# Allegro board SDHCalFEB.brd (continued)
## Routing (per net, layer and track width the routed paths; a pad name or vN(x,y) marks a point on that pad's centre or on a via; arc(x,y) is an arc through that point) (continued)
; U1062.3 v1(355.32,247.93) ; 98.83,162.51 v2(99.26,162.51) ; v2(99.26,162.51) 99.7,162.51 ; v2(99.26,162.51) 99.26,162.08 ; v2(99.26,162.51) 99.26,162.94 ; v2(192.91,259.61) 193.34,259.61 ; v2(192.91,259.61) 192.48,259.61 ; v2(192.91,259.61) 192.91,259.18 ; v2(98.27,87.83) 98.7,87.83 ; v2(98.27,87.83) 98.27,88.27 ; v2(98.27,87.83) 97.84,87.83 ; v2(98.27,87.83) 98.27,87.4 ; v2(258.8,167.26) 258.8,167.69 ; v2(258.8,167.26) 259.23,167.26 ; v2(258.8,167.26) 258.37,167.26 ; v2(258.8,167.26) 258.8,166.83 ; 169.58,194.2 J14.4 ; J14.4 170.71,195.33 ; J14.4 171.84,194.2 ; J14.4 170.71,193.06 ; 155.4,196.99 C608.2 ; C608.2 154.08,198.19 ; C608.2 156.72,198.19 ; v1(265.15,26.85) 265.15,27.28 ; v1(265.15,26.85) 265.15,26.42 ; v1(265.15,26.85) 265.58,26.85 ; v1(265.15,26.85) 264.72,26.85 ; 174.68,117.02 v2(174.68,117.45) ; v2(174.68,117.45) 175.11,117.45 ; v2(174.68,117.45) 174.24,117.45 ; v2(174.68,117.45) 174.68,117.88 ; v1(373.63,110.92) 374.07,110.92 ; v1(373.63,110.92) 373.63,110.49 ; v1(373.63,110.92) 373.2,110.92 ; v1(373.63,110.92) 373.63,111.35 ; v2(89.43,192.28) 89.87,192.28 ; v2(89.43,192.28) 89.43,192.71 ; v2(89.43,192.28) 89.43,191.85 ; v2(89.43,192.28) 89,192.28 ; 182.32,351.48 v1(182.32,351.92) ; v1(182.32,351.92) 182.75,351.92 ; v1(182.32,351.92) 181.89,351.92 ; v1(182.32,351.92) 182.32,352.35 ; 239.55,117.47 v2(239.55,117.91) ; v2(239.55,117.91) 239.99,117.91 ; v2(239.55,117.91) 239.12,117.91 ; 187.88,341.32 v2(187.88,341.76) ; v2(187.88,341.76) 187.45,341.76 ; v2(187.88,341.76) 187.88,342.19 ; v2(187.88,341.76) 188.32,341.76 ; v1(354.33,130.92) U1053.24 v1(351.97,130.92) ; 179.62,178.74 J50.2 ; J50.2 179.62,181 ; J50.2 178.49,179.87 ; J50.2 180.75,179.87 ; 158.67,278.42 v2(159.1,278.42) 159.1,277.99 ; 32.69,261.34 v2(32.69,261.77) ; v2(32.69,261.77) 33.12,261.77 ; v2(32.69,261.77) 32.69,262.2 ; v2(32.69,261.77) 32.26,261.77 ; v2(178.51,261.85) 178.94,261.85 ; v2(178.51,261.85) 178.51,262.28 ; v2(178.51,261.85) 178.08,261.85 ; v2(178.51,261.85) 178.51,261.42 ; v2(91.49,275.31) 91.49,275.74 ; v2(91.49,275.31) 91.92,275.31 ; v2(91.49,275.31) 91.49,274.88 ; v2(91.49,275.31) 91.06,275.31 ; 340.23,243.64 J9.3 ; J9.3 341.36,244.77 ; J9.3 340.23,245.9 ; J9.3 339.1,244.77 ; v2(175.69,250.04) 175.69,250.47 ; v2(175.69,250.04) 176.12,250.04 ; v2(175.69,250.04) 175.69,249.61 ; v2(175.69,250.04) 175.26,250.04 ; 99.62,176.91 v2(100.05,176.91) ; v2(100.05,176.91) 100.05,176.48 ; v2(100.05,176.91) 100.48,176.91 ; v2(100.05,176.91) 100.05,177.34 ; v2(92.96,272.95) 93.4,272.95 ; v2(92.96,272.95) 92.96,272.52 ; v2(92.96,272.95) 92.53,272.95 ; v2(92.96,272.95) 92.96,273.38 ; v1(18.75,23.57) 18.75,24 ; v1(18.75,23.57) 18.75,23.14 ; v1(18.75,23.57) 19.18,23.57 ; v1(18.75,23.57) 18.31,23.57 ; v2(249.2,199.95) 249.63,199.95 ; v2(249.2,199.95) 249.2,199.52 ; v2(249.2,199.95) 249.2,200.38 ; v2(249.2,199.95) 248.77,199.95 ; J33.B3 v1(391.79,101.22) ; 92.89,31.67 v2(93.32,31.67) ; v2(93.32,31.67) 93.32,32.11 ; v2(93.32,31.67) 93.75,31.67 ; v2(93.32,31.67) 93.32,31.24 ; 174.75,83.34 J29.4 ; J29.4 173.62,84.47 ; J29.4 175.88,84.47 ; J29.4 174.75,85.6 ; v2(27.64,96.27) 28.07,96.27 ; v2(27.64,96.27) 27.2,96.27 ; v2(27.64,96.27) 27.64,95.83 ; v2(27.64,96.27) 27.64,96.7 ; 148.51,345.54 v2(148.95,345.54) ; v2(148.95,345.54) 149.38,345.54 ; v2(148.95,345.54) 148.95,345.11 ; v2(148.95,345.54) 148.95,345.97 ; 172.85,354 v1(172.85,354.43) ; v1(172.85,354.43) 172.41,354.43 ; v1(172.85,354.43) 173.28,354.43 ; v1(172.85,354.43) 172.85,354.86 ; 33.83,331.29 v2(34.26,331.29) ; v2(34.26,331.29) 34.26,330.86 ; v2(34.26,331.29) 34.7,331.29 ; v2(34.26,331.29) 34.26,331.72 ; v2(367.03,110.67) 367.46,110.67 ; v2(367.03,110.67) 367.03,111.1 ; v2(367.03,110.67) 367.03,110.24 ; v2(367.03,110.67) 366.6,110.67 ; v2(268.38,323.57) 268.38,324 ; v2(268.38,323.57) 267.94,323.57 ; v2(268.38,323.57) 268.81,323.57 ; v2(268.38,323.57) 268.38,323.14 ; U1078.11 v1(345.43,332.84) ; v2(251.76,330.76) 252.2,330.76 ; v2(251.76,330.76) 251.76,330.33 ; v2(251.76,330.76) 251.33,330.76 ; v2(251.76,330.76) 251.76,331.19 ; v1(359.61,204.11) 359.61,204.55 ; v1(359.61,204.11) 359.61,203.68 ; v1(359.61,204.11) 360.05,204.11 ; v1(359.61,204.11) 359.18,204.11 ; 101.24,340.33 v2(101.68,340.33) ; v2(101.68,340.33) 101.68,339.9 ; v2(101.68,340.33) 102.11,340.33 ; v2(101.68,340.33) 101.68,340.77 ; 40.18,169.39 v2(40.18,169.82) ; v2(40.18,169.82) 40.62,169.82 ; v2(40.18,169.82) 40.18,170.26 ; v2(40.18,169.82) 39.75,169.82 ; v2(265.81,95.76) 265.81,96.19 ; v2(265.81,95.76) 266.24,95.76 ; v2(265.81,95.76) 265.38,95.76 ; v2(265.81,95.76) 265.81,95.33 ; 104.18,254.18 J62.4 ; J62.4 105.31,255.31 ; J62.4 104.18,256.44 ; J62.4 103.05,255.31 ; v2(249.4,194.64) 249.83,194.64 ; v2(249.4,194.64) 249.4,194.21 ; v2(249.4,194.64) 248.97,194.64 ; v2(249.4,194.64) 249.4,195.07 ; 28.75,91.87 v2(29.18,91.87) ; v2(29.18,91.87) 29.62,91.87 ; v2(29.18,91.87) 29.18,92.3 ; v2(29.18,91.87) 29.18,91.44 ; v2(338.28,245.36) 338.28,245.8 ; v2(338.28,245.36) 337.84,245.36 ; v2(338.28,245.36) 338.71,245.36 ; v2(338.28,245.36) 338.28,244.93 ; 366.14,237.44 v1(366.14,237.87) ; v1(366.14,237.87) 365.71,237.87 ; v1(366.14,237.87) 366.57,237.87 ; v1(366.14,237.87) 366.14,238.3 ; 231.14,347.09 v1(231.14,347.52) ; v1(231.14,347.52) 230.71,347.52 ; v1(231.14,347.52) 231.14,347.96 ; v1(231.14,347.52) 231.57,347.52 ; 100.69,183.29 R1901.1 100.69,182.12 ; J47.5 95.72,261.14 ; J47.5 94.59,260.01 ; J47.5 95.72,258.88 ; J47.5 96.85,260.01 ; 354.96,345.9 v1(354.96,346.33) ; v1(354.96,346.33) 355.4,346.33 ; v1(354.96,346.33) 354.96,346.76 ; v1(354.96,346.33) 354.53,346.33 ; 94,248.49 J15.5 ; J15.5 94,250.75 ; J15.5 92.87,249.62 ; J15.5 95.13,249.62 ; v2(172.14,249.17) 172.57,249.17 ; v2(172.14,249.17) 172.14,249.61 ; v2(172.14,249.17) 172.14,248.74 ; v2(172.14,249.17) 171.7,249.17 ; J34.A34 v1(394.88,204.35) ; 308.69,342.09 v2(309.12,342.09) ; v2(309.12,342.09) 309.12,341.65 ; v2(309.12,342.09) 309.12,342.52 ; v2(309.12,342.09) 309.55,342.09 ; 184.63,334.46 v2(184.63,334.02) 185.06,334.02 ; v2(37.39,259.97) 37.82,259.97 ; v2(37.39,259.97) 36.96,259.97 ; v2(37.39,259.97) 37.39,260.4 ; v2(37.39,259.97) 37.39,259.54 ; v1(180.59,22.48) 180.59,22.91 ; v1(180.59,22.48) 180.16,22.48 ; v1(180.59,22.48) 180.59,22.05 ; v1(180.59,22.48) 181.03,22.48 ; v2(95.66,280.59) 95.66,281.03 ; v2(95.66,280.59) 95.22,280.59 ; v2(95.66,280.59) 96.09,280.59 ; v2(95.66,280.59) 95.66,280.16 ; v2(92.94,288.42) 93.37,288.42 ; v2(92.94,288.42) 92.94,288.85 ; v2(92.94,288.42) 92.51,288.42 ; v2(92.94,288.42) 92.94,287.98 ; v2(248.57,277.52) 249,277.52 ; v2(330.99,278.43) 330.99,278.87 ; v2(330.99,278.43) 331.42,278.43 ; v2(330.99,278.43) 330.99,278 ; v2(330.99,278.43) 330.56,278.43 ; J52.2 268.61,26.99 ; J52.2 267.47,25.86 ; J52.2 266.34,26.99 ; v2(174.22,183.67) 174.65,183.67 ; v2(174.22,183.67) 173.79,183.67 ; v2(174.22,183.67) 174.22,184.1 ; v2(174.22,183.67) 174.22,183.24 ; 319.35,278.01 v2(319.35,278.44) ; v2(319.35,278.44) 318.92,278.44 ; v2(319.35,278.44) 319.78,278.44 ; v2(160.76,41.35) 160.76,41.78 ; v2(160.76,41.35) 160.32,41.35 ; v2(160.76,41.35) 160.76,40.92 ; v2(160.76,41.35) 161.19,41.35 ; C1486.2 362.97,109.04 ; C1486.2 364.29,107.85 ; C1486.2 361.64,107.85 ; U1051.7 v1(348.34,191.84) ; 30.68,39.36 C1390.2 ; C1390.2 32,38.17 ; C1390.2 33.33,39.36 ; 187.68,175.2 J64.3 ; J64.3 188.81,176.33 ; J64.3 189.94,175.2 ; J64.3 188.81,174.07 ; v1(184.07,25.1) 184.07,25.53 ; v1(184.07,25.1) 183.64,25.1 ; v1(184.07,25.1) 184.07,24.66 ; v1(184.07,25.1) 184.51,25.1 ; C1427.2 363.07,166.95 ; C1427.2 361.87,168.28 ; C1427.2 361.87,165.63 ; v2(94.05,262.2) 94.05,262.63 ; v2(94.05,262.2) 94.05,261.77 ; v2(94.05,262.2) 94.48,262.2 ; J32.3 95.32,34.65 ; J32.3 96.45,33.52 ; J32.3 95.32,32.38 ; J32.3 94.19,33.52 ; v2(29.21,268.91) 29.21,269.34 ; v2(29.21,268.91) 29.64,268.91 ; v2(29.21,268.91) 28.78,268.91 ; v2(29.21,268.91) 29.21,268.48 ; v2(100.53,29.13) 100.97,29.13 ; v2(100.53,29.13) 100.53,28.7 ; v2(100.53,29.13) 100.1,29.13 ; v2(100.53,29.13) 100.53,29.57 ; J33.A30 v1(394.88,135.51) ; v2(94.61,171.27) 95.05,171.27 ; v2(94.61,171.27) 94.61,170.84 ; v2(94.61,171.27) 94.18,171.27 ; v2(94.61,171.27) 94.61,171.7 ; 254.69,182.32 v2(255.12,182.32) ; v2(255.12,182.32) 255.55,182.32 ; v2(255.12,182.32) 255.12,181.89 ; v2(255.12,182.32) 255.12,182.75 ; v2(33.17,171.86) 33.17,172.29 ; v2(33.17,171.86) 33.6,171.86 ; v2(33.17,171.86) 32.74,171.86 ; v2(33.17,171.86) 33.17,171.42 ; v1(351.97,123.77) U1053.13 v1(354.33,123.77) ; v2(112.42,341.2) 112.85,341.2 ; v2(112.42,341.2) 111.99,341.2 ; v2(112.42,341.2) 112.42,340.77 ; v2(112.42,341.2) 112.42,341.63 ; v1(318.24,20.29) 318.67,20.29 ; v1(318.24,20.29) 317.8,20.29 ; v1(318.24,20.29) 318.24,20.73 ; v1(318.24,20.29) 318.24,19.86 ; 203.85,347.67 C1406.2 ; C1406.2 202.66,349 ; C1406.2 203.85,350.32 ; 99.01,322.55 R1467.1 98.42,323.11 ; 32.92,87.96 v2(33.35,87.96) ; v2(33.35,87.96) 33.78,87.96 ; v2(33.35,87.96) 33.35,87.53 ; v2(33.35,87.96) 33.35,88.39 ; 94.16,200.66 v2(94.59,200.66) ; v2(94.59,200.66) 95.02,200.66 ; v2(94.59,200.66) 94.59,201.09 ; v2(94.59,200.66) 94.59,200.23 ; 267.59,166.7 v2(267.59,167.13) ; v2(267.59,167.13) 268.02,167.13 ; v2(267.59,167.13) 267.59,167.56 ; v2(267.59,167.13) 267.16,167.13 ; 107.26,166.47 v2(106.83,166.47) 106.83,166.9 ; C1483.2 366.29,212.27 ; C1483.2 365.1,210.95 ; C1483.2 365.1,213.59 ; 106.48,102.68 U702.2 ; v2(94.06,254.51) 94.49,254.51 ; v2(94.06,254.51) 93.62,254.51 ; v2(94.06,254.51) 94.06,254.94 ; v2(94.06,254.51) 94.06,254.08 ; 183.5,253.06 v2(183.94,253.06) 183.94,253.49 ; v2(360.38,108.28) 360.38,108.71 ; v2(360.38,108.28) 359.94,108.28 ; v2(360.38,108.28) 360.38,107.85 ; v2(360.38,108.28) 360.81,108.28 ; v1(243.92,22.5) 243.92,22.94 ; v1(243.92,22.5) 244.35,22.5 ; v1(243.92,22.5) 243.92,22.07 ; v1(243.92,22.5) 243.48,22.5 ; J1.3 344.03,313.81 ; J1.3 342.9,312.68 ; J1.3 345.17,312.68 ; J1.3 344.03,311.55 ; 339.52,246.68 v2(339.95,246.68) ; v2(339.95,246.68) 339.95,246.25 ; v2(339.95,246.68) 339.95,247.12 ; v2(339.95,246.68) 340.39,246.68 ; 182.17,100.25 v2(182.17,100.69) ; v2(182.17,100.69) 181.74,100.69 ; v2(182.17,100.69) 182.17,101.12 ; v2(182.17,100.69) 182.6,100.69 ; 308.53,343.83 J36.3 ; J36.3 310.79,343.83 ; J36.3 309.66,342.7 ; J36.3 309.66,344.96 ; v2(292.23,350.88) 292.23,351.31 ; v2(292.23,350.88) 291.79,350.88 ; v2(292.23,350.88) 292.66,350.88 ; v2(292.23,350.88) 292.23,350.44 ; v2(184.3,258.39) 184.73,258.39 ; v2(184.3,258.39) 183.87,258.39 ; v2(184.3,258.39) 184.3,257.96 ; v2(184.3,258.39) 184.3,258.83 ; v2(99.49,173.05) 99.92,173.05 ; v2(99.49,173.05) 99.49,172.62 ; v2(99.49,173.05) 99.06,173.05 ; v2(99.49,173.05) 99.49,173.48 ; J35.B3 v1(391.79,228.73) ; 161.52,356.16 v1(161.95,356.16) ; v1(161.95,356.16) 161.95,356.59 ; v1(161.95,356.16) 162.38,356.16 ; v2(176.45,181.66) 176.89,181.66 ; v2(176.45,181.66) 176.02,181.66 ; v2(176.45,181.66) 176.45,182.09 ; v2(176.45,181.66) 176.45,181.23 ; v2(337.11,199.36) 337.54,199.36 ; v2(337.11,199.36) 337.11,199.8 ; v2(337.11,199.36) 337.11,198.93 ; v2(337.11,199.36) 336.68,199.36 ; v2(255.22,262.81) 255.22,263.25 ; v2(255.22,262.81) 255.65,262.81 ; v2(255.22,262.81) 254.79,262.81 ; v2(255.22,262.81) 255.22,262.38 ; v2(100.58,166.22) 101.02,166.22 ; v2(100.58,166.22) 100.58,166.65 ; v2(100.58,166.22) 100.58,165.79 ; v2(100.58,166.22) 100.15,166.22 ; 334.57,255.21 J59.4 ; J59.4 335.7,254.08 ; J59.4 335.7,256.34 ; J59.4 336.83,255.21 ; C694.2 66.1,257.76 ; C694.2 63.46,257.76 ; C694.2 64.78,258.95 ; 238.66,116.79 v2(238.66,117.22) ; v2(238.66,117.22) 239.09,117.22 ; v2(238.66,117.22) 238.66,117.65 ; v2(238.66,117.22) 238.23,117.22 ; v2(328.52,115.04) 328.52,115.47 ; v2(328.52,115.04) 328.96,115.04 ; v2(328.52,115.04) 328.09,115.04 ; v2(328.52,115.04) 328.52,114.6 ; 259.74,172.16 v2(260.17,172.16) ; v2(260.17,172.16) 260.17,172.59 ; v2(260.17,172.16) 260.17,171.73 ; v2(260.17,172.16) 260.6,172.16 ; v2(259.93,262.69) 259.93,263.12 ; v2(259.93,262.69) 259.5,262.69 ; v2(259.93,262.69) 259.93,262.26 ; v2(261.11,32.38) 261.54,32.38 ; v2(261.11,32.38) 261.11,31.95 ; v2(261.11,32.38) 260.68,32.38 ; v2(261.11,32.38) 261.11,32.82 ; v2(29.18,90.6) 29.18,91.03 ; v2(29.18,90.6) 29.18,90.17 ; v2(29.18,90.6) 28.75,90.6 ; v2(29.18,90.6) 29.62,90.6 ; 178.36,199.56 U367.1 178.36,200.37 ; 326.39,44.81 v2(326.39,45.24) ; v2(326.39,45.24) 326.82,45.24 ; v2(326.39,45.24) 326.39,45.67 ; v2(326.39,45.24) 325.96,45.24 ; v2(34.42,37.74) 34.85,37.74 ; v2(34.42,37.74) 33.98,37.74 ; v2(34.42,37.74) 34.42,37.31 ; v2(34.42,37.74) 34.42,38.18 ; v1(259.99,352.6) 259.99,353.04 ; v1(259.99,352.6) 259.99,352.17 ; v1(259.99,352.6) 259.56,352.6 ; v1(259.99,352.6) 260.43,352.6 ; U1050.13 v1(351.57,197.17) ; 371.35,183.9 v1(371.78,183.9) ; v1(371.78,183.9) 371.78,183.46 ; v1(371.78,183.9) 371.78,184.33 ; v1(371.78,183.9) 372.21,183.9 ; J34.B23 v1(391.79,190.38) ; R2205.1 101.23,91.7 ; R2205.1 100.67,91.11 ; R2205.1 100.67,92.28 ; 92.58,276.5 v2(93.01,276.5) ; v2(93.01,276.5) 93.01,276.07 ; v2(93.01,276.5) 93.45,276.5 ; v2(93.01,276.5) 93.01,276.94 ; 30.53,173.69 v2(30.96,173.69) ; v2(30.96,173.69) 31.39,173.69 ; v2(30.96,173.69) 30.96,173.25 ; v2(30.96,173.69) 30.96,174.12 ; 340.36,256.92 v2(340.79,256.92) ; v2(340.79,256.92) 340.79,257.35 ; v2(340.79,256.92) 340.79,256.49 ; v2(340.79,256.92) 341.22,256.92 ; 246.59,38.66 v2(247.02,38.66) ; v2(247.02,38.66) 247.46,38.66 ; v2(247.02,38.66) 247.02,39.09 ; v2(334.49,274.95) 334.92,274.95 ; v2(334.49,274.95) 334.49,274.52 ; v2(334.49,274.95) 334.06,274.95 ; v2(334.49,274.95) 334.49,275.39 ; 232.82,37.69 v2(233.25,37.69) ; v2(233.25,37.69) 233.25,37.26 ; v2(233.25,37.69) 233.25,38.13 ; v2(233.25,37.69) 233.68,37.69 ; 100.47,258.88 J47.2 ; J47.2 100.47,261.14 ; J47.2 101.6,260.01 ; J47.2 99.34,260.01 ; v2(178.99,181.66) 178.99,182.09 ; v2(178.99,181.66) 179.43,181.66 ; v2(178.99,181.66) 178.99,181.23 ; v2(178.99,181.66) 178.56,181.66 ; v2(78.84,198.41) 79.27,198.41 ; v2(78.84,198.41) 78.41,198.41 ; v2(78.84,198.41) 78.84,197.98 ; U1052.6 v1(348.74,136.79) ; 252.04,117.93 v2(252.48,117.93) ; v2(252.48,117.93) 252.48,117.5 ; v2(252.48,117.93) 252.48,118.36 ; v2(252.48,117.93) 252.91,117.93 ; 235.79,277.14 C174.2 ; C174.2 234.47,278.33 ; C174.2 237.11,278.33 ; J43.2 33.55,338.85 ; J43.2 32.42,339.98 ; J43.2 32.42,337.72 ; J43.2 31.29,338.85 ; 338.33,271.14 v2(338.76,271.14) ; v2(338.76,271.14) 338.76,270.71 ; v2(338.76,271.14) 338.76,271.58 ; v2(338.76,271.14) 339.19,271.14 ; 193.01,257.71 C519.2 ; C519.2 194.2,259.03 ; C519.2 194.2,256.39 ; v1(355.37,349) 355.37,349.43 ; v1(355.37,349) 355.8,349 ; v1(355.37,349) 354.94,349 ; v1(355.37,349) 355.37,348.56 ; v2(172.39,100.25) 172.39,100.69 ; v2(172.39,100.25) 172.82,100.25 ; v2(172.39,100.25) 171.96,100.25 ; v2(172.39,100.25) 172.39,99.82 ; 96.55,170.94 v2(96.55,171.37) ; v2(96.55,171.37) 96.55,171.81 ; v2(96.55,171.37) 96.11,171.37 ; v2(96.55,171.37) 96.98,171.37 ; 258.47,259.68 J45.2 ; J45.2 259.6,260.81 ; J45.2 260.73,259.68 ; J45.2 259.6,258.55 ; 178.54,87.55 v2(178.97,87.55) ; v2(178.97,87.55) 179.4,87.55 ; v2(178.97,87.55) 178.97,87.99 ; v2(178.97,87.55) 178.97,87.12 ; 260.32,28.63 v2(260.32,29.06) ; v2(260.32,29.06) 259.89,29.06 ; v2(260.32,29.06) 260.76,29.06 ; v2(260.32,29.06) 260.32,29.49 ; v2(44.07,347.47) 44.5,347.47 ; v2(44.07,347.47) 44.07,347.9 ; v2(44.07,347.47) 44.07,347.04 ; v2(44.07,347.47) 43.64,347.47 ; 95.37,117.2 J24.2 ; J24.2 95.37,119.46 ; J24.2 94.24,118.33 ; J24.2 96.5,118.33 ; 185.49,334.02 v2(185.93,334.02) ; v2(185.93,334.02) 185.93,334.46 ; v2(185.93,334.02) 186.36,334.02 ; 97.84,289.78 v2(97.84,290.21) ; v2(97.84,290.21) 97.84,290.64 ; v2(97.84,290.21) 97.41,290.21 ; v2(178.16,255.98) 178.16,256.41 ; v2(178.16,255.98) 178.59,255.98 ; v2(178.16,255.98) 177.72,255.98 ; v2(178.16,255.98) 178.16,255.55 ; v2(340.36,271.42) 340.36,271.86 ; v2(340.36,271.42) 339.93,271.42 ; v2(340.36,271.42) 340.79,271.42 ; v2(340.36,271.42) 340.36,270.99 ; 105.28,101.19 v2(105.71,101.19) ; v2(105.71,101.19) 105.71,101.63 ; v2(105.71,101.19) 106.15,101.19 ; v2(105.71,101.19) 105.71,100.76 ; v2(256.46,84.12) 256.46,84.56 ; v2(256.46,84.12) 256.46,83.69 ; v2(256.46,84.12) 256.03,84.12 ; v2(256.46,84.12) 256.9,84.12 ; v2(86.41,279.37) 86.85,279.37 ; v2(153.31,277.32) 153.31,277.75 ; v2(153.31,277.32) 153.31,276.88 ; v2(153.31,277.32) 152.88,277.32 ; v2(153.31,277.32) 153.75,277.32 ; 35.28,90.5 v2(35.71,90.5) ; v2(35.71,90.5) 36.14,90.5 ; v2(35.71,90.5) 35.71,90.07 ; v2(35.71,90.5) 35.71,90.93 ; 95.71,244.83 v2(95.71,245.26) ; v2(95.71,245.26) 95.27,245.26 ; v2(95.71,245.26) 96.14,245.26 ; v2(95.71,245.26) 95.71,245.69 ; 180.44,20.68 v1(180.87,20.68) ; v1(180.87,20.68) 181.31,20.68 ; v1(180.87,20.68) 180.87,20.24 ; v1(180.87,20.68) 180.87,21.11 ; 270.62,322.78 R1417.1 ; 105.96,339.32 J42.5 ; J42.5 107.09,340.45 ; J42.5 104.83,340.45 ; J42.5 105.96,341.58 ; v2(27.3,81.64) 27.74,81.64 ; v2(27.3,81.64) 27.3,81.2 ; v2(27.3,81.64) 26.87,81.64 ; v2(27.3,81.64) 27.3,82.07 ; v2(99.91,91.7) 99.91,92.13 ; v2(99.91,91.7) 99.91,91.27 ; v2(99.91,91.7) 99.48,91.7 ; v1(229.31,350.77) 229.74,350.77 ; v1(229.31,350.77) 229.31,350.34 ; v1(229.31,350.77) 228.88,350.77 ; v1(229.31,350.77) 229.31,351.21 ; v2(39.73,86.33) 40.16,86.33 ; v2(39.73,86.33) 39.73,85.9 ; v2(39.73,86.33) 39.73,86.77 ; v2(39.73,86.33) 39.29,86.33 ; 183.73,20.93 J53.4 ; J53.4 182.6,22.06 ; J53.4 184.86,22.06 ; J53.4 183.73,23.19 ; v2(260.48,248.44) 260.91,248.44 ; v2(260.48,248.44) 260.48,248.87 ; v2(260.48,248.44) 260.48,248.01 ; v2(260.48,248.44) 260.04,248.44 ; J35.A34 v1(394.88,268.1) ; v2(36.53,92.76) 36.53,93.19 ; v2(36.53,92.76) 36.09,92.76 ; v2(36.53,92.76) 36.96,92.76 ; v2(36.53,92.76) 36.53,92.33 ; 224.84,340.31 v2(224.84,340.74) ; v2(224.84,340.74) 225.27,340.74 ; v2(224.84,340.74) 224.84,341.17 ; v2(224.84,340.74) 224.41,340.74 ; v2(188.11,326.97) 188.11,327.41 ; v2(188.11,326.97) 188.11,326.54 ; v2(188.11,326.97) 188.54,326.97 ; v2(188.11,326.97) 187.68,326.97 ; v2(99.92,182.7) 99.92,183.13 ; v2(99.92,182.7) 99.49,182.7 ; v2(99.92,182.7) 99.92,182.27 ; v2(323.55,117.81) 323.98,117.81 ; v2(323.55,117.81) 323.11,117.81 ; v2(323.55,117.81) 323.55,118.24 ; v2(323.55,117.81) 323.55,117.37 ; v1(87.27,20.9) 87.27,21.34 ; v1(87.27,20.9) 86.84,20.9 ; v1(87.27,20.9) 87.27,20.47 ; v1(87.27,20.9) 87.71,20.9 ; v2(304.04,342.09) 304.47,342.09 ; v2(304.04,342.09) 304.04,341.65 ; v2(304.04,342.09) 304.04,342.52 ; v2(304.04,342.09) 303.61,342.09 ; v2(110.41,322.2) 110.41,322.63 ; v2(363.63,139.09) 364.06,139.09 ; v2(363.63,139.09) 363.19,139.09 ; v2(363.63,139.09) 363.63,139.52 ; v2(363.63,139.09) 363.63,138.66 ; 34.47,173.18 v2(34.9,173.18) ; v2(34.9,173.18) 35.33,173.18 ; v2(34.9,173.18) 34.9,173.61 ; v2(34.9,173.18) 34.9,172.74 ; 99.01,82.3 v2(99.01,82.73) ; v2(99.01,82.73) 99.01,83.16 ; v2(99.01,82.73) 98.58,82.73 ; v2(99.01,82.73) 99.44,82.73 ; v1(178.69,26.29) 179.12,26.29 ; v1(178.69,26.29) 178.69,26.72 ; v1(178.69,26.29) 178.69,25.86 ; v1(178.69,26.29) 178.26,26.29 ; v2(337.77,90.17) 337.77,90.6 ; v2(337.77,90.17) 338.2,90.17 ; v2(337.77,90.17) 337.34,90.17 ; v2(337.77,90.17) 337.77,89.74 ; v2(90.4,120.14) 90.83,120.14 ; v2(90.4,120.14) 90.4,120.57 ; v2(90.4,120.14) 90.4,119.71 ; v2(90.4,120.14) 89.97,120.14 ; v2(31.9,171.86) 31.9,172.29 ; v2(31.9,171.86) 31.47,171.86 ; v2(31.9,171.86) 32.33,171.86 ; v2(31.9,171.86) 31.9,171.42 ; 163.04,351.61 v1(163.47,351.61) ; v1(163.47,351.61) 163.91,351.61 ; v1(163.47,351.61) 163.47,351.18 ; v1(163.47,351.61) 163.47,352.04 ; C258.2 109.8,326.34 ; C258.2 109.8,323.7 ; C258.2 108.6,325.02 ; 340.26,247.9 v2(340.69,247.9) ; v2(340.69,247.9) 341.12,247.9 ; v2(340.69,247.9) 340.69,247.47 ; v2(340.69,247.9) 340.69,248.34 ; 222.07,337.44 v2(222.5,337.44) ; v2(222.5,337.44) 222.94,337.44 ; v2(222.5,337.44) 222.5,337.87 ; v2(222.5,337.44) 222.5,337.01 ; v2(254.05,198.42) 254.05,198.86 ; v2(254.05,198.42) 254.05,197.99 ; v2(254.05,198.42) 254.48,198.42 ; v2(254.05,198.42) 253.62,198.42 ; v2(97.97,329.08) 97.97,329.51 ; v2(97.97,329.08) 98.4,329.08 ; v2(97.97,329.08) 97.54,329.08 ; v2(97.97,329.08) 97.97,328.65 ; 73.79,118.13 v2(73.79,118.57) ; v2(73.79,118.57) 73.79,119 ; v2(73.79,118.57) 73.35,118.57 